# Allegro board 8880F5-0825_4.brd (continued)
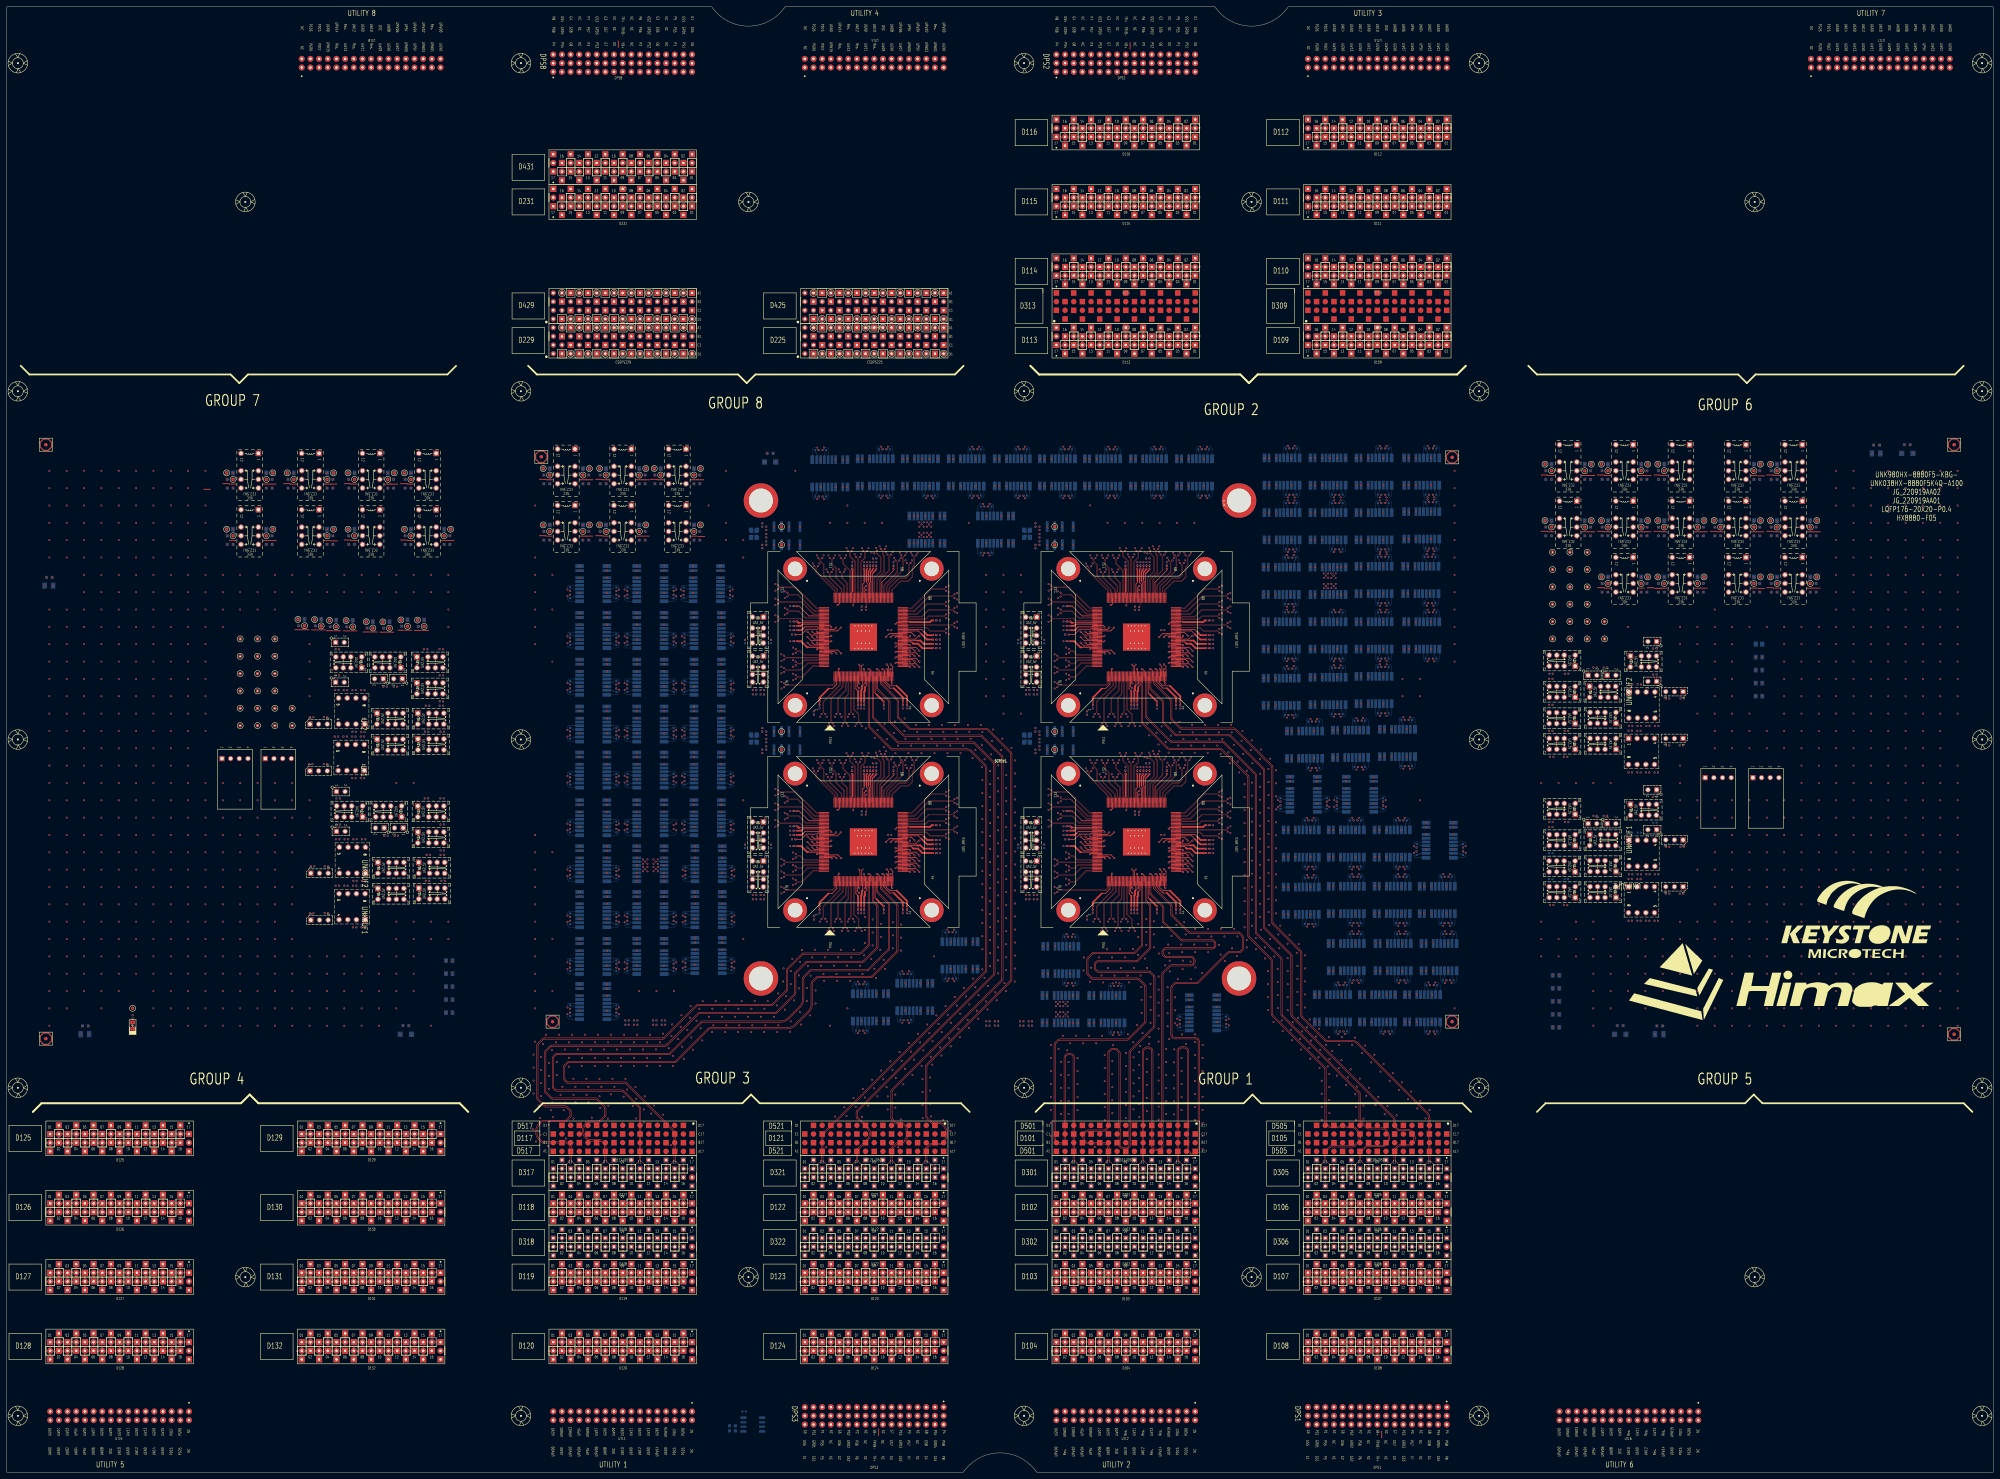
[diagram p0: board, top side]
## Nets
GND: BD29.1 BD30.1 BD31.1 BD32.1 BD33.1 BD34.1 BD35.1 BD36.1 BD37.1 BD38.1 BD39.1 BD40.1 BD41.1 BD42.1 BD43.1 BD44.1 C5.2 C6.2 C7.2 C8.2 C9.2 CA1.2 CA2.2 CA3.2 CA4.2 CA5.2 CA6.2 CA7.2 CA8.2 CA9.2 CA10.2 CA11.2 CA12.2 CA13.2 CA14.2 CA15.2 CA16.2 CA17.2 CA18.2 CA19.2 CA20.2 CA21.2 CA22.2 CA23.2 CA24.2 CA25.2 CA26.2 CA27.2 CA28.2 CA29.2 CA30.2 CA31.2 CA32.2 CA33.2 CA34.2 CA35.2 CA36.2 CA37.2 CA38.2 CA39.2 CA40.2 CC1.2 CC2.2 CC4.2 CC6.2 CC7.2 CC8.2 CC9.2 CC11.2 CC13.2 CC15.2 CC16.2 CC17.2 CC19.2 CC20.2 CC22.2 CC23.2 CC25.2 CC26.2 CC27.2 CC28.2 CC29.2 CC30.2 CC31.2 CC32.2 CC33.2 CC34.2 CC35.2 CC36.2 CC37.2 CC38.2 CC39.2 CC40.2 CC41.2 CC42.2 CD1.2 CD3.2 CD4.2 CD5.2 CD6.2 CD7.2 CD8.2 CD9.2 CD10.2 CD11.2 CD12.2 CD13.2 CD14.2 CD15.2 CD16.2 CD17.2 CD18.2 CD19.2 CD20.2 CD21.2 CD22.2 CD23.2 CD24.2 CD25.2 CSDPS225.B2 CSDPS225.B4 CSDPS225.B6 CSDPS225.B8 CSDPS225.B10 CSDPS225.B12 CSDPS225.B14 CSDPS225.B16 CSDPS225.C1 CSDPS225.C3 CSDPS225.C5 CSDPS225.C7 CSDPS225.C9 CSDPS225.C11 CSDPS225.C13 CSDPS225.C15 CSDPS229.B2 CSDPS229.B4 CSDPS229.B6 CSDPS229.B8 CSDPS229.B10 CSDPS229.B12 CSDPS229.B14 CSDPS229.B16 CSDPS229.C1 CSDPS229.C3 CSDPS229.C5 CSDPS229.C7 CSDPS229.C9 CSDPS229.C11 CSDPS229.C13 CSDPS229.C15 CSDPS425.B2 CSDPS425.B4 CSDPS425.B6 CSDPS425.B8 CSDPS425.B10 CSDPS425.B12 CSDPS425.B14 CSDPS425.B16 CSDPS425.C1 CSDPS425.C3 CSDPS425.C5 CSDPS425.C7 CSDPS425.C9 CSDPS425.C11 CSDPS425.C13 CSDPS425.C15 CSDPS429.B2 CSDPS429.B4 CSDPS429.B6 CSDPS429.B8 CSDPS429.B10 CSDPS429.B12 CSDPS429.B14 CSDPS429.B16 CSDPS429.C1 CSDPS429.C3 CSDPS429.C5 CSDPS429.C7 CSDPS429.C9 CSDPS429.C11 CSDPS429.C13 CSDPS429.C15 D102.A1 D102.A2 D102.A3 D102.A4 D102.A5 D102.A6 D102.A7 D102.A8 D102.A9 D102.A10 D102.A11 D102.A12 D102.A13 D102.A14 D102.A15 D102.A16 D102.B1 D102.B2 D102.B3 D102.B4 D102.B5 D102.B6 D102.B7 D102.B8 D102.B9 D102.B10 D102.B11 D102.B12 D102.B13 D102.B14 D102.B15 D102.B16 D103.A1 D103.A2 D103.A3 D103.A4 D103.A5 D103.A6 D103.A7 D103.A8 D103.A9 D103.A10 D103.A11 D103.A12 D103.A13 D103.A14 D103.A15 D103.A16 D103.B1 D103.B2 D103.B3 D103.B4 D103.B5 D103.B6 D103.B7 D103.B8 D103.B9 D103.B10 D103.B11 D103.B12 D103.B13 D103.B14 D103.B15 D103.B16 D104.A1 D104.A2 D104.A3 D104.A4 D104.A5 D104.A6 D104.A7 D104.A8 D104.A9 D104.A10 D104.A11 D104.A12 D104.A13 D104.A14 D104.A15 D104.A16 D104.B1 D104.B2 D104.B3 D104.B4 D104.B5 D104.B6 D104.B7 D104.B8 D104.B9 D104.B10 D104.B11 D104.B12 D104.B13 D104.B14 D104.B15 D104.B16 D106.A1 D106.A2 D106.A3 D106.A4 D106.A5 D106.A6 D106.A7 D106.A8 D106.A9 D106.A10 D106.A11 D106.A12 D106.A13 D106.A14 D106.A15 D106.A16 D106.B1 D106.B2 D106.B3 D106.B4 D106.B5 D106.B6 D106.B7 D106.B8 D106.B9 D106.B10 D106.B11 D106.B12 D106.B13 D106.B14 D106.B15 D106.B16 D107.A1 D107.A2 D107.A3 D107.A4 D107.A5 D107.A6 D107.A7 D107.A8 D107.A9 D107.A10 D107.A11 D107.A12 D107.A13 D107.A14 D107.A15 D107.A16 D107.B1 D107.B2 D107.B3 D107.B4 D107.B5 D107.B6 D107.B7 D107.B8 D107.B9 D107.B10 D107.B11 D107.B12 D107.B13 D107.B14 D107.B15 D107.B16 D108.A1 D108.A2 D108.A3 D108.A4 D108.A5 D108.A6 D108.A7 D108.A8 D108.A9 D108.A10 D108.A11 D108.A12 D108.A13 D108.A14 D108.A15 D108.A16 D108.B1 D108.B2 D108.B3 D108.B4 D108.B5 D108.B6 D108.B7 D108.B8 D108.B9 D108.B10 D108.B11 D108.B12 D108.B13 D108.B14 D108.B15 D108.B16 D109.A1 D109.A2 D109.A3 D109.A4 D109.A5 D109.A6 D109.A7 D109.A8 D109.A9 D109.A10 D109.A11 D109.A12 D109.A13 D109.A14 D109.A15 D109.A16 D109.B1 D109.B2 D109.B3 D109.B4 D109.B5 D109.B6 D109.B7 D109.B8 D109.B9 D109.B10 D109.B11 D109.B12 D109.B13 D109.B14 D109.B15 D109.B16 D110.A1 D110.A2 D110.A3 D110.A4 D110.A5 D110.A6 D110.A7 D110.A8 D110.A9 D110.A10 D110.A11 D110.A12 D110.A13 D110.A14 D110.A15 D110.A16 D110.B1 D110.B2 D110.B3 D110.B4 D110.B5 D110.B6 D110.B7 D110.B8 D110.B9 D110.B10 D110.B11 D110.B12 D110.B13 D110.B14 D110.B15 D110.B16 D111.A1 D111.A2 D111.A3 D111.A4 D111.A5 D111.A6 D111.A7 D111.A8 D111.A9 D111.A10 D111.A11 D111.A12 D111.A13 D111.A14 D111.A15 D111.A16 D111.B1 D111.B2 D111.B3 D111.B4 D111.B5 D111.B6 D111.B7 D111.B8 D111.B9 D111.B10 D111.B11 D111.B12 D111.B13 D111.B14 D111.B15 D111.B16 D112.A1 D112.A2 D112.A3 D112.A4 D112.A5 D112.A6 D112.A7 D112.A8 D112.A9 D112.A10 D112.A11 D112.A12 D112.A13 D112.A14 D112.A15 D112.A16 D112.B1 D112.B2 D112.B3 D112.B4 D112.B5 D112.B6 D112.B7 D112.B8 D112.B9 D112.B10 D112.B11 D112.B12 D112.B13 D112.B14 D112.B15 D112.B16 D113.A1 D113.A2 D113.A3 D113.A4 D113.A5 D113.A6 D113.A7 D113.A8 D113.A9 D113.A10 D113.A11 D113.A12 D113.A13 D113.A14 D113.A15 D113.A16 D113.B1 D113.B2 D113.B3 D113.B4 D113.B5 D113.B6 D113.B7 D113.B8 D113.B9 D113.B10 D113.B11 D113.B12 D113.B13 D113.B14 D113.B15 D113.B16 D114.A1 D114.A2 D114.A3 D114.A4 D114.A5 D114.A6 D114.A7 D114.A8 D114.A9 D114.A10 D114.A11 D114.A12 D114.A13 D114.A14 D114.A15 D114.A16 D114.B1 D114.B2 D114.B3 D114.B4 D114.B5 D114.B6 D114.B7 D114.B8 D114.B9 D114.B10 D114.B11 D114.B12 D114.B13 D114.B14 D114.B15 D114.B16 D115.A1 D115.A2 D115.A3 D115.A4 D115.A5 D115.A6 D115.A7 D115.A8 D115.A9 D115.A10 D115.A11 D115.A12 D115.A13 D115.A14 D115.A15 D115.A16 D115.B1 D115.B2 D115.B3 D115.B4 D115.B5 D115.B6 D115.B7 D115.B8 D115.B9 D115.B10 D115.B11 D115.B12 D115.B13 D115.B14 D115.B15 D115.B16 D116.A1 D116.A2 D116.A3 D116.A4 D116.A5 D116.A6 D116.A7 D116.A8 D116.A9 D116.A10 D116.A11 D116.A12 D116.A13 D116.A14 D116.A15 D116.A16 D116.B1 D116.B2 D116.B3 D116.B4 D116.B5 D116.B6 D116.B7 D116.B8 D116.B9 D116.B10 D116.B11 D116.B12 D116.B13 D116.B14 D116.B15 D116.B16 D118.A1 D118.A2 D118.A3 D118.A4 D118.A5 D118.A6 D118.A7 D118.A8 D118.A9 D118.A10 D118.A11 D118.A12 D118.A13 D118.A14 D118.A15 D118.A16 D118.B1 D118.B2 D118.B3 D118.B4 D118.B5 D118.B6 D118.B7 D118.B8 D118.B9 D118.B10 D118.B11 D118.B12 D118.B13 D118.B14 D118.B15 D118.B16 D119.A1 D119.A2 D119.A3 D119.A4 D119.A5 D119.A6 D119.A7 D119.A8 D119.A9 D119.A10 D119.A11 D119.A12 D119.A13 D119.A14 D119.A15 D119.A16 D119.B1 D119.B2 D119.B3 D119.B4 D119.B5 D119.B6 D119.B7 D119.B8 D119.B9 D119.B10 D119.B11 D119.B12 D119.B13 D119.B14 D119.B15 D119.B16 D120.A1 D120.A2 D120.A3 D120.A4 D120.A5 D120.A6 D120.A7 D120.A8 D120.A9 D120.A10 D120.A11 D120.A12 D120.A13 D120.A14 D120.A15 D120.A16 D120.B1 D120.B2 D120.B3 D120.B4 D120.B5 D120.B6 D120.B7 D120.B8 D120.B9 D120.B10 D120.B11 D120.B12 D120.B13 D120.B14 D120.B15 D120.B16 D122.A1 D122.A2 D122.A3 D122.A4 D122.A5 D122.A6 D122.A7 D122.A8 D122.A9 D122.A10 D122.A11 D122.A12 D122.A13 D122.A14 D122.A15 D122.A16 D122.B1 D122.B2 D122.B3 D122.B4 D122.B5 D122.B6 D122.B7 D122.B8 D122.B9 D122.B10 D122.B11 D122.B12 D122.B13 D122.B14 D122.B15 D122.B16 D123.A1 D123.A2 D123.A3 D123.A4 D123.A5 D123.A6 D123.A7 D123.A8 D123.A9 D123.A10 D123.A11 D123.A12 D123.A13 D123.A14 D123.A15 D123.A16 D123.B1 D123.B2 D123.B3 D123.B4 D123.B5 D123.B6 D123.B7 D123.B8 D123.B9 D123.B10 D123.B11 D123.B12 D123.B13 D123.B14 D123.B15 D123.B16 D124.A1 D124.A2 D124.A3 D124.A4 D124.A5 D124.A6 D124.A7 D124.A8 D124.A9 D124.A10 D124.A11 D124.A12 D124.A13 D124.A14 D124.A15 D124.A16 D124.B1 D124.B2 D124.B3 D124.B4 D124.B5 D124.B6 D124.B7 D124.B8 D124.B9 D124.B10 D124.B11 D124.B12 D124.B13 D124.B14 D124.B15 D124.B16 D125.A1 D125.A2 D125.A3 D125.A4 D125.A5 D125.A6 D125.A7 D125.A8 D125.A9 D125.A10 D125.A11 D125.A12 D125.A13 D125.A14 D125.A15 D125.A16 D125.B1 D125.B2 D125.B3 D125.B4 D125.B5 D125.B6 D125.B7 D125.B8 D125.B9 D125.B10 D125.B11 D125.B12 D125.B13 D125.B14 D125.B15 D125.B16 D126.A1 D126.A2 D126.A3 D126.A4 D126.A5 D126.A6 D126.A7 D126.A8 D126.A9 D126.A10 D126.A11 D126.A12 D126.A13 D126.A14 D126.A15 D126.A16 D126.B1 D126.B2 D126.B3 D126.B4 D126.B5 D126.B6 D126.B7 D126.B8 D126.B9 D126.B10 D126.B11 D126.B12 D126.B13 D126.B14 D126.B15 D126.B16 D127.A1 D127.A2 D127.A3 D127.A4 D127.A5 D127.A6 D127.A7 D127.A8 D127.A9 D127.A10 D127.A11 D127.A12 D127.A13 D127.A14 D127.A15 D127.A16 D127.B1 D127.B2 D127.B3 D127.B4 D127.B5 D127.B6 D127.B7 D127.B8 D127.B9 D127.B10 D127.B11 D127.B12 D127.B13 D127.B14 D127.B15 D127.B16 D128.A1 D128.A2 D128.A3 D128.A4 D128.A5 D128.A6 D128.A7 D128.A8 D128.A9 D128.A10 D128.A11 D128.A12 D128.A13 D128.A14 D128.A15 D128.A16 D128.B1 D128.B2 D128.B3 D128.B4 D128.B5 D128.B6 D128.B7 D128.B8 D128.B9 D128.B10 D128.B11 D128.B12 D128.B13 D128.B14 D128.B15 D128.B16 D129.A1 D129.A2 D129.A3 D129.A4 D129.A5 D129.A6 D129.A7 D129.A8 D129.A9 D129.A10 D129.A11 D129.A12 D129.A13 D129.A14 D129.A15 D129.A16 D129.B1 D129.B2 D129.B3 D129.B4 D129.B5 D129.B6 D129.B7 D129.B8 D129.B9 D129.B10 D129.B11 D129.B12 D129.B13 D129.B14 D129.B15 D129.B16 D130.A1 D130.A2 D130.A3 D130.A4 D130.A5 D130.A6 D130.A7 D130.A8 D130.A9 D130.A10 D130.A11 D130.A12 D130.A13 D130.A14 D130.A15 D130.A16 D130.B1 D130.B2 D130.B3 D130.B4 D130.B5 D130.B6 D130.B7 D130.B8 D130.B9 D130.B10 D130.B11 D130.B12 D130.B13 D130.B14 D130.B15 D130.B16 D131.A1 D131.A2 D131.A3 D131.A4 D131.A5 D131.A6 D131.A7 D131.A8 D131.A9 D131.A10 D131.A11 D131.A12 D131.A13 D131.A14 D131.A15 D131.A16 D131.B1 D131.B2 D131.B3 D131.B4 D131.B5 D131.B6 D131.B7 D131.B8 D131.B9 D131.B10 D131.B11 D131.B12 D131.B13 D131.B14 D131.B15 D131.B16 D132.A1 D132.A2 D132.A3 D132.A4 D132.A5 D132.A6 D132.A7 D132.A8 D132.A9 D132.A10 D132.A11 D132.A12 D132.A13 D132.A14 D132.A15 D132.A16 D132.B1 D132.B2 D132.B3 D132.B4 D132.B5 D132.B6 D132.B7 D132.B8 D132.B9 D132.B10 D132.B11 D132.B12 D132.B13 D132.B14 D132.B15 D132.B16 D231.A1 D231.A2 D231.A3 D231.A4 D231.A5 D231.A6 D231.A7 D231.A8 D231.A9 D231.A10 D231.A11 D231.A12 D231.A13 D231.A14 D231.A15 D231.A16 D231.A17 D231.B1 D231.B2 D231.B3 D231.B4 D231.B5 D231.B6 D231.B7 D231.B8 D231.B9 D231.B10 D231.B11 D231.B12 D231.B13 D231.B14 D231.B15 D231.B16 D231.B17 D301.A1 D301.A2 D301.A3 D301.A4 D301.A5 D301.A6 D301.A7 D301.A8 D301.A9 D301.A10 D301.A11 D301.A12 D301.A13 D301.A14 D301.A15 D301.A16 D301.B1 D301.B2 D301.B3 D301.B4 D301.B5 D301.B6 D301.B7 D301.B8 D301.B9 D301.B10 D301.B11 D301.B12 D301.B13 D301.B14 D301.B15 D301.B16 D302.A1 D302.A2 D302.A3 D302.A4 D302.A5 D302.A6 D302.A7 D302.A8 D302.A9 D302.A10 D302.A11 D302.A12 D302.A13 D302.A14 D302.A15 D302.A16 D302.B1 D302.B2 D302.B3 D302.B4 D302.B5 D302.B6 D302.B7 D302.B8 D302.B9 D302.B10 D302.B11 D302.B12 D302.B13 D302.B14 D302.B15 D302.B16 D305.A1 D305.A2 D305.A3 D305.A4 D305.A5 D305.A6 D305.A7 D305.A8 D305.A9 D305.A10 D305.A11 D305.A12 D305.A13 D305.A14 D305.A15 D305.A16 D305.B1 D305.B2 D305.B3 D305.B4 D305.B5 D305.B6 D305.B7 D305.B8 D305.B9 D305.B10 D305.B11 D305.B12 D305.B13 D305.B14 D305.B15 D305.B16 D306.A1 D306.A2 D306.A3 D306.A4 D306.A5 D306.A6 D306.A7 D306.A8 D306.A9 D306.A10 D306.A11 D306.A12 D306.A13 D306.A14 D306.A15 D306.A16 D306.B1 D306.B2 D306.B3 D306.B4 D306.B5 D306.B6 D306.B7 D306.B8 D306.B9 D306.B10 D306.B11 D306.B12 D306.B13 D306.B14 D306.B15 D306.B16 D317.A1 D317.A2 D317.A3 D317.A4 D317.A5 D317.A6 D317.A7 D317.A8 D317.A9 D317.A10 D317.A11 D317.A12 D317.A13 D317.A14 D317.A15 D317.A16 D317.B1 D317.B2 D317.B3 D317.B4 D317.B5 D317.B6 D317.B7 D317.B8 D317.B9 D317.B10 D317.B11 D317.B12 D317.B13 D317.B14 D317.B15 D317.B16 D318.A1 D318.A2 D318.A3 D318.A4 D318.A5 D318.A6 D318.A7 D318.A8 D318.A9 D318.A10 D318.A11 D318.A12 D318.A13 D318.A14 D318.A15 D318.A16 D318.B1 D318.B2 D318.B3 D318.B4 D318.B5 D318.B6 D318.B7 D318.B8 D318.B9 D318.B10 D318.B11 D318.B12 D318.B13 D318.B14 D318.B15 D318.B16 D321.A1 D321.A2 D321.A3 D321.A4 D321.A5 D321.A6 D321.A7 D321.A8 D321.A9 D321.A10 D321.A11 D321.A12 D321.A13 D321.A14 D321.A15 D321.A16 D321.B1 D321.B2 D321.B3 D321.B4 D321.B5 D321.B6 D321.B7 D321.B8 D321.B9 D321.B10 D321.B11 D321.B12 D321.B13 D321.B14 D321.B15 D321.B16 D322.A1 D322.A2 D322.A3 D322.A4 D322.A5 D322.A6 D322.A7 D322.A8 D322.A9 D322.A10 D322.A11 D322.A12 D322.A13 D322.A14 D322.A15 D322.A16 D322.B1 D322.B2 D322.B3 D322.B4 D322.B5 D322.B6 D322.B7 D322.B8 D322.B9 D322.B10 D322.B11 D322.B12 D322.B13 D322.B14 D322.B15 D322.B16 D431.A1 D431.A2 D431.A3 D431.A4 D431.A5 D431.A6 D431.A7 D431.A8 D431.A9 D431.A10 D431.A11 D431.A12 D431.A13 D431.A14 D431.A15 D431.A16 D431.A17 D431.B1 D431.B2 D431.B3 D431.B4 D431.B5 D431.B6 D431.B7 D431.B8 D431.B9 D431.B10 D431.B11 D431.B12 D431.B13 D431.B14 D431.B15 D431.B16 D431.B17 DPS1.A01 DPS1.A05 DPS1.A11 DPS1.A15 DPS1.C01 DPS1.C05 DPS1.C11 DPS1.C15 DPS2.A01 DPS2.A05 DPS2.A11 DPS2.A15 DPS2.C01 DPS2.C05 DPS2.C11 DPS2.C15 DPS3.A01 DPS3.A05 DPS3.A11 DPS3.A15 DPS3.C01 DPS3.C05 DPS3.C11 DPS3.C15 DPS8.A01 DPS8.A05 DPS8.A11 DPS8.A15 DPS8.C01 DPS8.C05 DPS8.C11 DPS8.C15 GND1.1(TP) GND2.1(TP) GND3.1(TP) GND4.1(TP) GND5.1(TP) GND6.1(TP) GND7.1(TP) GND8.1(TP) GND9.1(TP) GND10.1(TP) GND11.1(TP) GND12.1(TP) GND13.1(TP) GND14.1(TP) K1.G1 K1.G2 K1.G3 K1.G4 K1.G5 K1.G6 K1.G7 K1.G8 K1.G9 K1.G10 K2.G1 K2.G2 K2.G3 K2.G4 K2.G5 K2.G6 K2.G7 K2.G8 K2.G9 K2.G10 K3.G1 K3.G2 K3.G3 K3.G4 K3.G5 K3.G6 K3.G7 K3.G8 K3.G9 K3.G10 K4.G1 K4.G2 K4.G3 K4.G4 K4.G5 K4.G6 K4.G7 K4.G8 K4.G9 K4.G10 K5.G1 K5.G2 K5.G3 K5.G4 K5.G5 K5.G6 K5.G7 K5.G8 K5.G9 K5.G10 K6.G1 K6.G2 K6.G3 K6.G4 K6.G5 K6.G6 K6.G7 K6.G8 K6.G9 K6.G10 K7.G1 K7.G2 K7.G3 K7.G4 K7.G5 K7.G6 K7.G7 K7.G8 K7.G9 K7.G10 K8.G1 K8.G2 K8.G3 K8.G4 K8.G5 K8.G6 K8.G7 K8.G8 K8.G9 K8.G10 K11.G1 K11.G2 K11.G3 K11.G4 K11.G5 K11.G6 K11.G7 K11.G8 K11.G9 K11.G10 K16.G1 K16.G2 K16.G3 K16.G4 K16.G5 K16.G6 K16.G7 K16.G8 K16.G9 K16.G10 K17.G1 K17.G2 K17.G3 K17.G4 K17.G5 K17.G6 K17.G7 K17.G8 K17.G9 K17.G10 K21.G1 K21.G2 K21.G3 K21.G4 K21.G5 K21.G6 K21.G7 K21.G8 K21.G9 K21.G10 K22.G1 K22.G2 K22.G3 K22.G4 K22.G5 K22.G6 K22.G7 K22.G8 K22.G9 K22.G10 K23.G1 K23.G2 K23.G3 K23.G4 K23.G5 K23.G6 K23.G7 K23.G8 K23.G9 K23.G10 K24.G1 K24.G2 K24.G3 K24.G4 K24.G5 K24.G6 K24.G7 K24.G8 K24.G9 K24.G10 K25.G1 K25.G2 K25.G3 K25.G4 K25.G5 K25.G6 K25.G7 K25.G8 K25.G9 K25.G10 K26.G1 K26.G2 K26.G3 K26.G4 K26.G5 K26.G6 K26.G7 K26.G8 K26.G9 K26.G10 K27.G1 K27.G2 K27.G3 K27.G4 K27.G5 K27.G6 K27.G7 K27.G8 K27.G9 K27.G10 K29.G1 K29.G2 K29.G3 K29.G4 K29.G5 K29.G6 K29.G7 K29.G8 K29.G9 K29.G10 K30.G1 K30.G2 K30.G3 K30.G4 K30.G5 K30.G6 K30.G7 K30.G8 K30.G9 K30.G10 K43.G1 K43.G2 K43.G3 K43.G4 K43.G5 K43.G6 K43.G7 K43.G8 K43.G9 K43.G10 R2.1 R3.2 R86.2 R93.2 R117.2 R131.2 R132.2 S1_I2C.4 S2_I2C.4 S3_I2C.4 S4_I2C.4 SB1.1 SB2.1 SB3.1 SB8.1 SH2.1 SH4.1 SH6.1 SH8.1 SH9.1 SH11.1 SH13.1 SH15.1 SH17.1 SH19.1 SH21.1 SH24.1 SH26.1 SH28.1 SITE1.4(GND-1) SITE1.23(VSS-1) SITE1.28(AVSS-1) SITE1.34(AVSS-2) SITE1.38(GND-2) SITE1.62(VSS-2) SITE1.108(GND-3) SITE1.128(GND-4) SITE1.146(VSS11_C) SITE1.EP(EP(GND)) SITE1.G1 SITE1.G2 SITE1.G3 SITE1.G4 SITE1.G5 SITE1.G6 SITE1.G7 SITE1.G8 SITE1.G9 SITE1.G10 SITE1.G11 SITE1.G12 SITE1.G13 SITE1.G14 SITE1.G15 SITE1.G16 SITE1.G17 SITE1.G18 SITE1.G19 SITE1.G20 SITE2.4(GND-1) SITE2.23(VSS-1) SITE2.28(AVSS-1) SITE2.34(AVSS-2) SITE2.38(GND-2) SITE2.62(VSS-2) SITE2.108(GND-3) SITE2.128(GND-4) SITE2.146(VSS11_C) SITE2.EP(EP(GND)) SITE2.G1 SITE2.G2 SITE2.G3 SITE2.G4 SITE2.G5 SITE2.G6 SITE2.G7 SITE2.G8 SITE2.G9 SITE2.G10 SITE2.G11 SITE2.G12 SITE2.G13 SITE2.G14 SITE2.G15 SITE2.G16 SITE2.G17 SITE2.G18 SITE2.G19 SITE2.G20 SITE3.4(GND-1) SITE3.23(VSS-1) SITE3.28(AVSS-1) SITE3.34(AVSS-2) SITE3.38(GND-2) SITE3.62(VSS-2) SITE3.108(GND-3) SITE3.128(GND-4) SITE3.146(VSS11_C) SITE3.EP(EP(GND)) SITE3.G1 SITE3.G2 SITE3.G3 SITE3.G4 SITE3.G5 SITE3.G6 SITE3.G7 SITE3.G8 SITE3.G9 SITE3.G10 SITE3.G11 SITE3.G12 SITE3.G13 SITE3.G14 SITE3.G15 SITE3.G16 SITE3.G17 SITE3.G18 SITE3.G19 SITE3.G20 SITE4.4(GND-1) SITE4.23(VSS-1) SITE4.28(AVSS-1) SITE4.34(AVSS-2) SITE4.38(GND-2) SITE4.62(VSS-2) SITE4.108(GND-3) SITE4.128(GND-4) SITE4.146(VSS11_C) SITE4.EP(EP(GND)) SITE4.G1 SITE4.G2 SITE4.G3 SITE4.G4 SITE4.G5 SITE4.G6 SITE4.G7 SITE4.G8 SITE4.G9 SITE4.G10 SITE4.G11 SITE4.G12 SITE4.G13 SITE4.G14 SITE4.G15 SITE4.G16 SITE4.G17 SITE4.G18 SITE4.G19 SITE4.G20 U1.4(GND) U2.4(GND) UNK2C5.2 UNK2C6.2 UNK2C7.2 UNK2C8.2 UNK2C9.2 UNK2CA1.2 UNK2CA2.2 UNK2CA3.2 UNK2CA4.2 UNK2CA5.2 UNK2CA6.2 UNK2CA7.2 UNK2CA8.2 UNK2CA9.2 UNK2CA10.2 UNK2CA11.2 UNK2CA12.2 UNK2CA13.2 UNK2CA14.2 UNK2CA15.2 UNK2CA16.2 UNK2CA17.2 UNK2CA18.2 UNK2CA19.2 UNK2CA20.2 UNK2CA21.2 UNK2CA22.2 UNK2CA23.2 UNK2CA24.2 UNK2CA25.2 UNK2CA26.2 UNK2CA27.2 UNK2CA28.2 UNK2CA29.2 UNK2CA30.2 UNK2CA31.2 UNK2CA32.2 UNK2CA33.2 UNK2CA34.2 UNK2CA35.2 UNK2CA36.2 UNK2CA37.2 UNK2CA38.2 UNK2CA39.2 UNK2CA40.2 UNK2CC1.2 UNK2CC2.2 UNK2CC4.2 UNK2CC6.2 UNK2CC7.2 UNK2CC8.2 UNK2CC9.2 UNK2CC11.2 UNK2CC13.2 UNK2CC15.2 UNK2CC16.2 UNK2CC17.2 UNK2CC19.2 UNK2CC20.2 UNK2CC22.2 UNK2CC23.2 UNK2CC25.2 UNK2CC26.2 UNK2CC27.2 UNK2CC28.2 UNK2CC29.2 UNK2CC30.2 UNK2CC31.2 UNK2CC32.2 UNK2CC33.2 UNK2CC34.2 UNK2CC35.2 UNK2CC36.2 UNK2CC37.2 UNK2CC38.2 UNK2CC39.2 UNK2CC40.2 UNK2CC41.2 UNK2CC42.2 UNK2CD1.2 UNK2CD3.2 UNK2CD4.2 UNK2CD5.2 UNK2CD6.2 UNK2CD7.2 UNK2CD8.2 UNK2CD9.2 UNK2CD10.2 UNK2CD11.2 UNK2CD12.2 UNK2CD13.2 UNK2CD14.2 UNK2CD15.2 UNK2CD16.2 UNK2CD17.2 UNK2CD18.2 UNK2CD19.2 UNK2CD20.2 UNK2CD21.2 UNK2CD22.2 UNK2CD23.2 UNK2CD24.2 UNK2CD25.2 UNK2GND1.1 UNK2GND2.1 UNK2GND3.1 UNK2GND4.1 UNK2GND5.1 UNK2GND6.1 UNK2GND7.1 UNK2GND8.1 UNK2GND9.1 UNK2GND10.1 UNK2GND11.1 UNK2GND12.1 UNK2GND13.1 UNK2GND14.1 UNK2K1.G1 UNK2K1.G2 UNK2K1.G3 UNK2K1.G4 UNK2K1.G5 UNK2K1.G6 UNK2K1.G7 UNK2K1.G8 UNK2K1.G9 UNK2K1.G10 UNK2K2.G1 UNK2K2.G2 UNK2K2.G3 UNK2K2.G4 UNK2K2.G5 UNK2K2.G6 UNK2K2.G7 UNK2K2.G8 UNK2K2.G9 UNK2K2.G10 UNK2K3.G1 UNK2K3.G2 UNK2K3.G3 UNK2K3.G4 UNK2K3.G5 UNK2K3.G6 UNK2K3.G7 UNK2K3.G8 UNK2K3.G9 UNK2K3.G10 UNK2K4.G1 UNK2K4.G2 UNK2K4.G3 UNK2K4.G4 UNK2K4.G5 UNK2K4.G6 UNK2K4.G7 UNK2K4.G8 UNK2K4.G9 UNK2K4.G10 UNK2K5.G1 UNK2K5.G2 UNK2K5.G3 UNK2K5.G4 UNK2K5.G5 UNK2K5.G6 UNK2K5.G7 UNK2K5.G8 UNK2K5.G9 UNK2K5.G10 UNK2K6.G1 UNK2K6.G2 UNK2K6.G3 UNK2K6.G4 UNK2K6.G5 UNK2K6.G6 UNK2K6.G7 UNK2K6.G8 UNK2K6.G9 UNK2K6.G10 UNK2K7.G1 UNK2K7.G2 UNK2K7.G3 UNK2K7.G4 UNK2K7.G5 UNK2K7.G6 UNK2K7.G7 UNK2K7.G8 UNK2K7.G9 UNK2K7.G10 UNK2K8.G1 UNK2K8.G2 UNK2K8.G3 UNK2K8.G4 UNK2K8.G5 UNK2K8.G6 UNK2K8.G7 UNK2K8.G8 UNK2K8.G9 UNK2K8.G10 UNK2K11.G1 UNK2K11.G2 UNK2K11.G3 UNK2K11.G4 UNK2K11.G5 UNK2K11.G6 UNK2K11.G7 UNK2K11.G8 UNK2K11.G9 UNK2K11.G10 UNK2K16.G1 UNK2K16.G2 UNK2K16.G3 UNK2K16.G4 UNK2K16.G5 UNK2K16.G6 UNK2K16.G7 UNK2K16.G8 UNK2K16.G9 UNK2K16.G10 UNK2K17.G1 UNK2K17.G2 UNK2K17.G3 UNK2K17.G4 UNK2K17.G5 UNK2K17.G6 UNK2K17.G7 UNK2K17.G8 UNK2K17.G9 UNK2K17.G10 UNK2K21.G1 UNK2K21.G2 UNK2K21.G3 UNK2K21.G4 UNK2K21.G5 UNK2K21.G6 UNK2K21.G7 UNK2K21.G8 UNK2K21.G9 UNK2K21.G10 UNK2K22.G1 UNK2K22.G2 UNK2K22.G3 UNK2K22.G4 UNK2K22.G5 UNK2K22.G6 UNK2K22.G7 UNK2K22.G8 UNK2K22.G9 UNK2K22.G10 UNK2K23.G1 UNK2K23.G2 UNK2K23.G3 UNK2K23.G4 UNK2K23.G5 UNK2K23.G6 UNK2K23.G7 UNK2K23.G8 UNK2K23.G9 UNK2K23.G10 UNK2K24.G1 UNK2K24.G2 UNK2K24.G3 UNK2K24.G4 UNK2K24.G5 UNK2K24.G6 UNK2K24.G7 UNK2K24.G8 UNK2K24.G9 UNK2K24.G10 UNK2K25.G1 UNK2K25.G2 UNK2K25.G3 UNK2K25.G4 UNK2K25.G5 UNK2K25.G6 UNK2K25.G7 UNK2K25.G8 UNK2K25.G9 UNK2K25.G10 UNK2K26.G1 UNK2K26.G2 UNK2K26.G3 UNK2K26.G4 UNK2K26.G5 UNK2K26.G6 UNK2K26.G7 UNK2K26.G8 UNK2K26.G9 UNK2K26.G10 UNK2K27.G1 UNK2K27.G2 UNK2K27.G3 UNK2K27.G4 UNK2K27.G5 UNK2K27.G6 UNK2K27.G7 UNK2K27.G8 UNK2K27.G9 UNK2K27.G10 UNK2K29.G1 UNK2K29.G2 UNK2K29.G3 UNK2K29.G4 UNK2K29.G5 UNK2K29.G6 UNK2K29.G7 UNK2K29.G8 UNK2K29.G9 UNK2K29.G10 UNK2K30.G1 UNK2K30.G2 UNK2K30.G3 UNK2K30.G4 UNK2K30.G5 UNK2K30.G6 UNK2K30.G7 UNK2K30.G8 UNK2K30.G9 UNK2K30.G10 UNK2K43.G1 UNK2K43.G2 UNK2K43.G3 UNK2K43.G4 UNK2K43.G5 UNK2K43.G6 UNK2K43.G7 UNK2K43.G8 UNK2K43.G9 UNK2K43.G10 UNK2R2.1 UNK2R3.2 UNK2R86.2 UNK2R93.2 UNK2R117.2 UNK2R131.2 UNK2R132.2 UNK2SH2.1 UNK2SH4.1 UNK2SH6.1 UNK2SH8.1 UNK2SH9.1 UNK2SH11.1 UNK2SH13.1 UNK2SH15.1 UNK2SH17.1 UNK2SH19.1 UNK2SH21.1 UNK2SH24.1 UNK2SH26.1 UNK2SH28.1 UNK2U1.4 UNK2U2.4 UNK2Y1.2 UNK2Y1.4 UNK2Y2.2 UNK2Y2.4 UNK3C5.2 UNK3C6.2 UNK3C7.2 UNK3C8.2 UNK3C9.2 UNK3CA1.2 UNK3CA2.2 UNK3CA3.2 UNK3CA4.2 UNK3CA5.2 UNK3CA6.2 UNK3CA7.2 UNK3CA8.2 UNK3CA9.2 UNK3CA10.2 UNK3CA11.2 UNK3CA12.2 UNK3CA13.2 UNK3CA14.2 UNK3CA15.2 UNK3CA16.2 UNK3CA17.2 UNK3CA18.2 UNK3CA19.2 UNK3CA20.2 UNK3CA21.2 UNK3CA22.2 UNK3CA23.2 UNK3CA24.2 UNK3CA25.2 UNK3CA26.2 UNK3CA27.2 UNK3CA28.2 UNK3CA29.2 UNK3CA30.2 UNK3CA31.2 UNK3CA32.2 UNK3CA33.2 UNK3CA34.2 UNK3CA35.2 UNK3CA36.2 UNK3CA37.2 UNK3CA38.2 UNK3CA39.2 UNK3CA40.2 UNK3CC1.2 UNK3CC2.2 UNK3CC4.2 UNK3CC6.2 UNK3CC7.2 UNK3CC8.2 UNK3CC9.2 UNK3CC11.2 UNK3CC13.2 UNK3CC15.2 UNK3CC16.2 UNK3CC17.2 UNK3CC19.2 UNK3CC20.2 UNK3CC22.2 UNK3CC23.2 UNK3CC25.2 UNK3CC26.2 UNK3CC27.2 UNK3CC28.2 UNK3CC29.2 UNK3CC30.2 UNK3CC31.2 UNK3CC32.2 UNK3CC33.2 UNK3CC34.2 UNK3CC35.2 UNK3CC36.2 UNK3CC37.2 UNK3CC38.2 UNK3CC39.2 UNK3CC40.2 